# KiCad board owl-driver-board-16.kicad_pcb (continued)
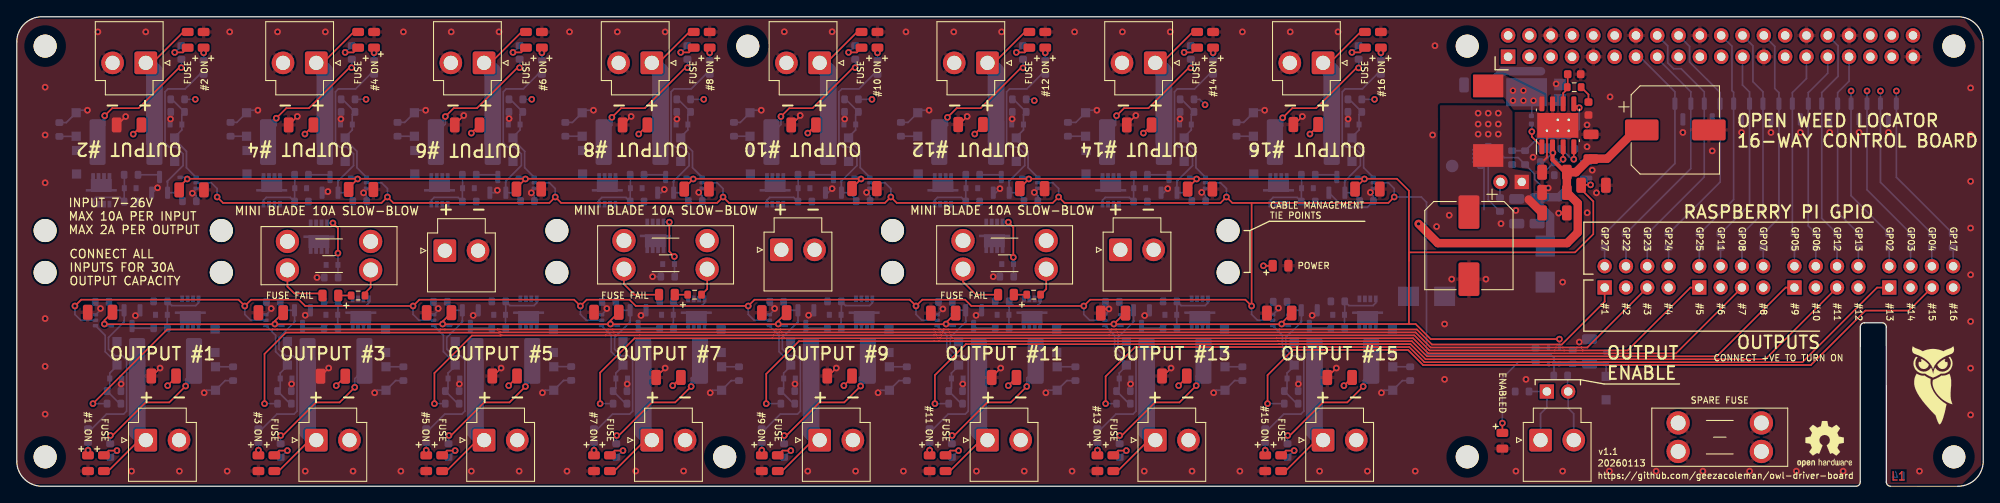
[diagram p0: board, top side]
## Routing (per net, layer and track width the routed paths; a pad name or vN(x,y) marks a point on that pad's centre or on a via; arc(x,y) is an arc through that point) (continued)
+5V: length 15.6
  Top w1: 181.8,32.6 180.2,34.2
  Bottom w0.2: 184.38,35.04 184.38,36.9 U9.3
  Bottom w1: C9.1 181.2,33.74 182.75,32.19 182.75,29.23 D16.1 ; 184.38,35.04 183.82,34.48 180.78,34.48
  vias: v1(174.18,44.5) v1(174.18,43.2) v1(174.18,42) v1(175.38,44.5) v1(175.38,43.2) v1(175.38,42) v1(176.58,44.5) v1(176.58,43.2) v1(176.58,42)
GND: length 193.6
  Top w0.2: 52.28,43.23 v1(53.28,44.23) ; 56.75,13.12 v1(57.73,14.1) ; 149.05,20.75 149.18,20.62 149.18,20.35 ; 109.05,20.75 109.18,20.62 109.18,20.35 ; 36.2,13.12 v1(37.18,14.1) ; 136.6,13.12 v1(137.58,14.1) ; 112.28,43.11 v1(113.28,44.11) ; 29.05,20.75 29.18,20.62 29.18,20.35 ; 69.05,20.75 69.18,20.62 69.18,20.35 ; 129.18,20.35 129.18,20.62 129.05,20.75 ; 96.7,13.12 v1(97.68,14.1) ; 8.86,20.35 8.86,20.62 8.74,20.75 ; C16.2 93.38,44.18 v1(93.38,44.23) ; 72.23,43.11 v1(73.23,44.11) ; 156.28,13.1 v1(157.28,14.1) ; 32.44,43.11 v1(33.44,44.11) ; 182.03,38.9 182.38,39.25 U1.9 ; 11.98,43.1 v1(12.98,44.1) ; 89.18,20.35 89.18,20.62 89.05,20.75 ; 49.18,20.35 49.18,20.62 49.05,20.75 ; 132.38,43.23 v1(133.38,44.23) ; v1(130.18,21.15) 129.7,21.15 C42.2 ; 16.1,13.12 v1(17.08,14.1) ; 76.28,13.1 v1(77.28,14.1) ; 152.23,43.11 v1(153.23,44.11) ; 116.28,13.1 v1(117.28,14.1)
  Bottom w0.2: U17.3 110.38,21.13 v1(110.38,21.15) 109.85,21.68 R104.1 ; 135,20.94 v1(134.43,20.36) ; R97.1 101.7,34.62 v1(101.28,35.05) 101.32,35.05 101.82,35.55 ; 78.68,44.63 v1(78.68,43.8) 78.68,43.24 ; v1(162.65,11.15) 162.95,11.45 D117.2 165.15,12.6 R168.1 ; 55,20.98 v1(54.4,20.37) ; v1(88.74,44.85) 87.69,44.85 ; R159.1 46.24,43.4 D54.2 ; R132.1 149.75,21.88 v1(150.38,21.25) 150.38,21.13 U21.3 ; Q14.2 74.41,20.39 74.41,20.38 v1(74.4,20.37) ; 98.68,44.63 v1(98.68,43.8) 98.68,43.24 ; 81.82,35.55 81.32,35.05 v1(81.28,35.05) 81.7,34.62 81.7,34 ; R169.1 146.24,43.4 D124.2 ; 18.32,43.2 v1(18.32,43.8) 18.32,44.62 ; 152.75,11.38 v1(152.75,12.2) 152.75,12.8 ; 112.68,11.4 112.68,12.13 v1(112.75,12.2) 112.68,12.27 112.68,12.73 ; 58.68,43.24 58.68,44.63 ; D110.2 126.24,43.4 R167.1 ; v1(82.65,11.15) 82.95,11.45 D61.2 85.15,12.6 R160.1 ; v1(182.53,35.57) 181.95,35.57 180.9,36.62 180.9,37.25 R45.1 178.95,39.2 177.28,39.2 175.63,40.85 175.15,40.85 174.9,40.6 U3.9 U3.8 ; v1(77.18,35.4) 76.79,35.01 Q16.2 ; v1(97.18,35.5) 96.69,35.01 Q20.2 ; 41.82,35.55 41.33,35.06 v1(41.33,35) 41.33,34.99 41.7,34.62 41.7,34 ; 138.64,44.62 v1(138.64,43.8) 138.64,43.2 ; D82.2 86.24,43.4 R163.1 ; 12.44,12.8 v1(12.44,12.2) 12.44,11.38 ; R164.1 125.15,12.6 D89.2 122.95,11.45 v1(122.65,11.15) ; 158.68,43.24 v1(158.68,43.8) 158.68,44.63 ; v1(28.74,44.85) 27.69,44.85 ; R157.1 26.24,43.4 D23.2 ; v1(148.74,44.85) 147.69,44.85 ; Q24.2 116.69,35.01 v1(117.18,35.5) ; 94.97,20.99 v1(94.38,20.4) ; v1(8.42,44.85) 7.37,44.85 ; 161.82,35.55 161.33,35.06 v1(161.33,35.05) 161.33,34.99 161.7,34.62 R139.1 160.98,33.27 158.12,33.27 Q32.2 ; 114.94,20.99 v1(114.34,20.39) ; 32.75,12.8 v1(32.75,12.2) 32.75,11.38 ; R118.1 129.75,21.58 v1(130.18,21.15) 130.18,20.93 U19.3 ; v1(128.74,44.85) 127.69,44.85 ; R156.1 45.15,12.6 D18.2 42.95,11.45 v1(42.65,11.15) ; 5.08,43.38 5.9,43.38 D11.2 ; v1(62.65,11.15) 62.95,11.45 D28.2 65.18,12.62 R158.1 ; Q12.2 56.99,35.01 v1(57.28,35.3) ; 61.7,34 61.7,34.62 v1(61.33,35) 61.33,35.06 61.82,35.55 ; U3.4 173.98,38.23 174.25,37.95 174.65,37.95 174.9,38.2 U3.2 ; v1(48.74,44.85) 47.69,44.85 ; R162.1 105.15,12.6 D75.2 102.95,11.45 v1(102.65,11.15) ; 34.97,20.99 v1(34.38,20.4) ; U15.3 90.33,21.08 v1(90.33,21.2) 89.75,21.78 89.75,22 ; R14.1 29.75,21.78 v1(30.33,21.2) 30.33,21.08 U7.3 ; 69.75,22 69.75,21.78 v1(70.33,21.2) 70.33,21.08 U13.3 ; R154.1 24.84,12.6 D10.2 22.64,11.45 v1(22.34,11.15) ; R111.1 121.7,34.62 121.28,35.04 v1(121.28,35.05) 121.32,35.05 121.82,35.55 ; R11.1 9.35,21.83 v1(9.98,21.2) 9.98,21.04 U5.3 ; 52.75,12.8 v1(52.75,12.2) 52.75,11.38 ; R161.1 66.24,43.4 D68.2 ; 21.5,35.55 20.93,34.98 v1(20.93,34.95) 21.09,34.95 21.4,34.63 21.4,34 ; R27.1 v1(116.38,25) ; R125.1 141.7,34.62 141.27,35.05 v1(141.23,35.05) 141.32,35.05 141.82,35.55 ; 132.75,12.8 v1(132.75,12.2) 132.75,11.38 ; v1(108.74,44.85) 107.69,44.85 ; 38.64,44.62 v1(38.64,43.8) 38.64,43.2 ; D96.2 106.24,43.4 R165.1 ; 174.88,38.48 174.88,33 ; R166.1 145.15,12.6 D103.2 142.95,11.45 v1(142.65,11.15) ; 155,20.98 v1(154.4,20.37) ; Q28.2 136.69,35.01 v1(137.18,35.5) ; 14.69,20.91 v1(14.14,20.36) ; 92.75,12.8 v1(92.75,12.2) 92.75,11.38 ; R51.1 49.65,21.78 v1(50.23,21.2) 50.23,20.98 U11.3 ; 72.75,12.8 v1(72.75,12.2) 72.75,11.38 ; 118.64,43.2 v1(118.64,43.8) 118.64,44.62 ; R25.1 v1(75.78,25) ; 16.19,35.01 v1(16.78,35.6) ; R8.1 v1(35.78,24.9) ; v1(68.74,44.85) 67.69,44.85
  Bottom w0.5: v1(37.08,35.15) 36.94,35.01 Q8.2
  Bottom w1: C10.2 176.88,49.3 176.88,49.33 177.05,49.5 181.68,49.5
  vias: v1(3.38,47.6) v1(3.38,41.9) v1(3.38,36.2) v1(3.38,20) v1(3.38,14.3) v1(3.38,8.6) v1(9.67,54.2) v1(13.68,1.8) v1(15.37,54.2) v1(19.38,1.8) v1(25.08,1.8) v1(25.38,54.2) v1(31.08,54.2) v1(34.38,1.8) v1(36.78,54.2) v1(40.08,1.8) v1(45.78,1.8) v1(46.08,54.2) v1(51.78,54.2) v1(54.18,1.8) v1(57.48,54.2) v1(58.68,43.85) v1(59.88,1.8) v1(65.58,1.8) v1(65.88,54.2) v1(71.58,54.2) v1(73.78,1.81) v1(77.28,54.2) v1(79.48,1.81) v1(91.48,54.21) v1(94.28,1.8) v1(97.18,54.21) v1(99.98,1.8) v1(105.68,1.8) v1(105.98,54.2) v1(111.68,54.2) v1(114.38,1.8) v1(117.38,54.2) v1(120.08,1.8) v1(125.78,1.8) v1(126.08,54.2) v1(131.78,54.2) v1(134.38,1.8) v1(137.48,54.2) v1(140.08,1.8) v1(145.78,1.8) v1(146.08,54.2) v1(151.78,54.2) v1(155.28,1.8) v1(157.48,54.2) v1(160.98,1.8) v1(166.68,1.8) v1(168.75,41.9) v1(169.03,52.55) v1(169.23,30.98) v1(170.18,19.35) v1(170.18,12.75) v1(170.73,32.33) v1(171.03,24.7) v1(175.1,24.7) v1(176.9,31.33) v1(178.68,32.9) v1(178.68,1.8) v1(179.88,12.75) v1(180.72,39.25) v1(183.48,48) v1(183.78,32.58) v1(184.25,24.35) v1(184.25,1.8) v1(186.23,17.2) v1(187.16,43.1) v1(187.16,40.5) v1(187.18,32.62) v1(187.78,37.7) v1(188.28,35) v1(189.82,1.8) v1(189.9,46.45) v1(195.39,1.8) v1(198.58,42.2) v1(200.96,1.8) v1(202.08,40) v1(205.58,42.2) v1(206.54,1.8) v1(209.08,42.2) v1(212.11,1.8) v1(212.58,42.2) v1(216.08,42.2) v1(217.68,1.8) v1(219.58,42.2) v1(223.08,42.2) v1(226.78,1.8) v1(232.88,47.51) v1(232.88,41.94) v1(232.88,36.37) v1(232.88,30.8) v1(232.88,25.23) v1(232.88,19.66) v1(232.88,14.09) v1(232.88,8.51)
VCC: length 67.9
  Top w0.2: 75.1,42.99 v1(74.13,42.01) ; 99.58,13 v1(98.58,12) ; 115.15,42.99 v1(114.18,42.01) ; C15.1 v1(78.18,12) ; 59.63,13 v1(58.63,12) ; 18.98,13 v1(17.98,12) ; 35.32,42.99 v1(34.34,42.01) ; 119.15,12.98 v1(118.18,12) ; 159.15,12.98 v1(158.18,12) ; C11.1 v1(54.18,42.12) ; v1(94.28,42.12) 95.25,43.1 ; 39.08,13 v1(38.08,12) ; 14.85,42.98 v1(13.88,42) ; 139.48,13 v1(138.48,12) ; C12.1 v1(134.28,42.12) ; 155.1,42.99 v1(154.13,42.01)
  Top w0.5: C6.1 184.55,37.45 183.04,38.96 U1.2
  Top w1: C5.1 187.58,39.08 189.55,39.08 192.98,42.5 C8.1 ; v1(167.08,31.3) 169.38,29 184.78,29 186.05,30.28 186.05,33.75 C18.1 C6.1 185.83,37.45 187.4,39.03 187.5,39.03
  Bottom w0.2: R41.2 181.96,38.65 v1(183.09,39.77)
  Bottom w0.5: 182.58,40.28 v1(183.09,39.77)
/BOOT: length 3.2
  Top w0.2: U1.1 180.58,41.68 v1(180.58,42.3)
  Bottom w0.2: v1(180.58,42.3) 180.58,43.17 C17.1
/COMP: length 3.5
  Top w0.2: 184.8,47.6 184.85,47.65 C22.1 ; 184.31,45.61 184.31,46.89 184.78,47.35
/EN: length 5.2
  Top w0.2: 184.31,40.49 184.31,38.71
  Bottom w0.2: 181.7,37.1 183.25,38.65 183.95,38.65 v1(184.3,39)
/Output chain 1/DRAIN: length 15.8
  Top w0.2: v1(11.16,6.05) 11.41,6.05 15.35,10 18.18,10 v1(20.13,11.95)
  Bottom w0.2: v1(11.16,6.05) 11.13,6.02 11.13,5.08 ; R154.2 D10.1 ; 20.47,13.09 20.13,12.75 v1(20.13,11.95)
/Output chain 1/GATE: length 7.4
  Bottom w0.2: 21.66,22.1 21.66,21.88 21.34,21.55 18.46,21.55 R2.1 ; 17.94,18.75 17.94,20.33 ; 17.96,20.35 17.96,21.95
/Output chain 1/OUTPUT+: length 14.7
  Top w0.2: 10.9,1.81 14.34,5.25
  Bottom w2: J4.1 14.35,6.53 F2.2
/Output chain 2/DRAIN: length 15.6
  Top w0.2: v1(19.6,49.93) 19.35,49.93 14.53,45.1 11.38,45.1 v1(10.48,44.2)
  Bottom w0.2: D11.1 7.05,41.73 R155.2 ; 19.63,50.9 19.63,49.95 v1(19.6,49.93) ; v1(10.48,44.2) 10.48,43.1
/Output chain 2/GATE: length 7.4
  Bottom w0.2: R3.1 12.3,34.45 9.42,34.45 9.1,34.12 9.1,33.9 ; 12.82,37.25 12.82,35.68 ; 12.8,35.65 12.8,34.05
/Output chain 2/OUTPUT+: length 14.7
  Top w0.2: 19.85,54.19 16.42,50.76
  Bottom w2: F3.2 16.41,49.47 J5.1
/Output chain 3/DRAIN: length 16
  Top w0.2: v1(31.46,6.05) 31.71,6.05 35.65,10 38.48,10 v1(40.28,11.8)
  Bottom w0.2: 31.43,5.08 31.43,6.02 v1(31.46,6.05) ; R156.2 D18.1 ; 40.77,13.31 40.28,12.82 v1(40.28,11.8)
/Output chain 3/GATE: length 7.4
  Bottom w0.2: 38.25,18.75 38.25,20.33 ; R15.1 38.78,21.55 41.65,21.55 41.98,21.88 41.98,22.1 ; 38.28,20.35 38.28,21.95
/Output chain 3/OUTPUT+: length 14.7
  Top w0.2: 31.22,1.81 34.65,5.25
  Bottom w2: F4.2 34.66,6.53 J7.1
/Output chain 4/DRAIN: length 15.7
  Top w0.2: v1(39.9,49.93) 39.65,49.93 34.83,45.1 32.13,45.1 v1(30.93,43.9)
  Bottom w0.2: v1(30.93,43.9) 30.93,43.05 30.59,42.71 ; v1(39.9,49.93) 39.93,49.95 39.93,50.9 ; R157.2 D23.1
/Output chain 4/GATE: length 7.4
  Bottom w0.2: 33.11,35.65 33.11,34.05 ; 33.14,37.25 33.14,35.68 ; R20.1 32.61,34.45 29.74,34.45 29.41,34.12 29.41,33.9
/Output chain 4/OUTPUT+: length 14.7
  Top w0.2: 40.17,54.19 36.74,50.76
  Bottom w2: F5.2 36.72,49.47 J8.1
/Output chain 5/DRAIN: length 15.7
  Top w0.2: v1(51.51,6.05) 51.76,6.05 55.7,10 58.73,10 v1(60.63,11.9)
  Bottom w0.2: v1(60.63,11.9) 60.63,12.75 60.82,12.94 ; 51.48,5.08 51.48,6.02 v1(51.51,6.05) ; D28.1 64.03,14.28 R158.2
/Output chain 5/GATE: length 7.4
  Bottom w0.2: 58.28,20.35 58.28,21.95 ; R52.1 58.78,21.55 61.65,21.55 61.98,21.88 61.98,22.1 ; 58.25,18.75 58.25,20.33
/Output chain 5/OUTPUT+: length 14.7
  Top w0.2: 51.22,1.81 54.65,5.25
  Bottom w2: J12.1 54.66,6.53 F6.2
/Output chain 6/DRAIN: length 15.8
  Top w0.2: v1(51.08,44.1) 52.08,45.1 54.85,45.1 59.68,49.93 v1(59.93,49.93)
  Bottom w0.2: 59.96,50.9 59.96,49.95 v1(59.93,49.93) ; R159.2 D54.1 ; v1(51.08,44.1) 51.08,43.2 50.62,42.74
/Output chain 6/GATE: length 7.4
  Bottom w0.2: 53.11,35.65 53.11,34.05 ; 53.14,37.25 53.14,35.68 ; 49.41,33.9 49.41,34.12 49.74,34.45 52.61,34.45 R70.1
/Output chain 6/OUTPUT+: length 14.7
  Top w0.2: 60.17,54.19 56.74,50.76
  Bottom w2: F7.2 56.72,49.47 J13.1
/Output chain 7/DRAIN: length 16
  Top w0.2: v1(80.38,11.9) 78.48,10 75.7,10 71.76,6.05 v1(71.51,6.05)
  Bottom w0.2: v1(71.51,6.05) 71.48,6.02 71.48,5.08 ; 80.82,13.31 80.38,12.87 v1(80.38,11.9) ; R160.2 D61.1
/Output chain 7/GATE: length 7.4
  Bottom w0.2: 78.28,20.35 78.28,21.95 ; 81.98,22.1 81.98,21.88 81.65,21.55 78.78,21.55 R77.1 ; 78.25,18.75 78.25,20.33
/Output chain 7/OUTPUT+: length 14.7
  Top w0.2: 71.22,1.81 74.65,5.25
  Bottom w2: J14.1 74.66,6.53 F8.2
/Output chain 8/DRAIN: length 15.8
  Top w0.2: v1(79.93,49.93) 79.68,49.93 74.85,45.1 72.03,45.1 v1(70.93,44)
  Bottom w0.2: v1(79.93,49.93) 79.96,49.95 79.96,50.9 ; 70.62,42.74 70.93,43.05 v1(70.93,44) ; R161.2 D68.1
/Output chain 8/GATE: length 7.4
  Bottom w0.2: 69.41,33.9 69.41,34.12 69.74,34.45 72.61,34.45 R84.1 ; 73.14,37.25 73.14,35.68 ; 73.11,35.65 73.11,34.05
/Output chain 8/OUTPUT+: length 14.7
  Top w0.2: 80.17,54.19 76.74,50.76
  Bottom w2: J15.1 76.72,49.47 F9.2
/Output chain 9/DRAIN: length 16.2
  Top w0.2: v1(100.58,11.95) 98.63,10 95.68,10 91.73,6.05 v1(91.48,6.05)
  Bottom w0.2: v1(100.58,11.95) 100.43,12.1 100.43,12.95 100.79,13.31 ; R93.2 91.45,6.02 v1(91.48,6.05) ; R162.2 D75.1
/Output chain 9/GATE: length 7.4
  Bottom w0.2: R91.1 98.78,21.55 101.65,21.55 101.98,21.88 101.98,22.1 ; 98.25,18.75 98.25,20.33 ; 98.28,20.35 98.28,21.95
/Output chain 9/OUTPUT+: length 14.7
  Top w0.2: 91.22,1.81 94.65,5.25
  Bottom w2: F10.2 94.66,6.53 J16.1
/Output chain 10/DRAIN: length 15.8
  Top w0.2: v1(91.08,44.1) 92.08,45.1 94.85,45.1 99.68,49.93 v1(99.93,49.93)
  Bottom w0.2: 99.96,50.9 99.96,49.95 v1(99.93,49.93) ; v1(91.08,44.1) 91.08,43.15 90.62,42.69 ; R163.2 D82.1
/Output chain 10/GATE: length 7.4
  Bottom w0.2: R98.1 92.61,34.45 89.74,34.45 89.41,34.12 89.41,33.9 ; 93.14,37.25 93.14,35.68 ; 93.11,35.65 93.11,34.05
/Output chain 10/OUTPUT+: length 14.7
  Top w0.2: 100.17,54.19 96.74,50.76
  Bottom w2: J17.1 96.72,49.47 F11.2
/Output chain 11/DRAIN: length 16.1
  Top w0.2: v1(111.48,6.05) 111.73,6.05 115.68,10 118.48,10 v1(120.38,11.9)
  Bottom w0.2: R107.2 111.45,6.02 v1(111.48,6.05) ; v1(120.38,11.9) 120.38,12.9 120.79,13.31 ; R164.2 D89.1
/Output chain 11/GATE: length 7.4
  Bottom w0.2: 118.25,18.75 118.25,20.33 ; 118.28,20.35 118.28,21.95 ; 121.98,22.1 121.98,21.88 121.65,21.55 118.78,21.55 R105.1
/Output chain 11/OUTPUT+: length 14.7
  Top w0.2: 111.22,1.81 114.65,5.25
  Bottom w2: F12.2 114.66,6.53 J18.1
/Output chain 12/DRAIN: length 15.8
  Top w0.2: v1(110.93,44) 112.03,45.1 114.88,45.1 119.68,49.9 v1(119.93,49.9)
  Bottom w0.2: 119.96,50.88 119.96,49.93 v1(119.93,49.9) ; 110.62,42.74 110.93,43.05 v1(110.93,44) ; R165.2 D96.1
/Output chain 12/GATE: length 7.4
  Bottom w0.2: 113.11,35.65 113.11,34.05 ; R112.1 112.61,34.45 109.74,34.45 109.41,34.12 109.41,33.9 ; 113.14,37.25 113.14,35.68
/Output chain 12/OUTPUT+: length 14.7
  Top w0.2: 120.17,54.19 116.74,50.76
  Bottom w2: J19.1 116.72,49.47 F13.2
/Output chain 13/DRAIN: length 16
  Top w0.2: v1(131.46,6.05) 131.71,6.05 135.66,10 138.58,10 v1(140.58,12)
  Bottom w0.2: R166.2 D103.1 ; v1(140.58,12) 140.58,13.12 140.79,13.33 ; 131.43,5.08 131.43,6.02
/Output chain 13/GATE: length 7.4
  Bottom w0.2: 138.28,20.35 138.28,21.95 ; 138.25,18.75 138.25,20.33 ; 141.98,22.1 141.98,21.88 141.65,21.55 138.78,21.55 R119.1
/Output chain 13/OUTPUT+: length 14.7
  Top w0.2: 131.22,1.81 134.65,5.25
  Bottom w2: J20.1 134.66,6.53 F14.2
/Output chain 14/DRAIN: length 16
  Top w0.2: v1(139.93,49.9) 139.68,49.9 134.88,45.1 131.98,45.1 v1(131.08,44.2)
  Bottom w0.2: R167.2 D110.1 ; 139.96,50.88 139.96,49.93 v1(139.93,49.9) ; 130.62,42.74 130.98,43.1 130.98,44.1 v1(131.08,44.2)
/Output chain 14/GATE: length 7.4
  Bottom w0.2: 133.11,35.65 133.11,34.05 ; 133.14,37.25 133.14,35.68 ; R126.1 132.61,34.45 129.74,34.45 129.41,34.12 129.41,33.9
/Output chain 14/OUTPUT+: length 14.7
  Top w0.2: 140.17,54.19 136.74,50.76
  Bottom w2: F15.2 136.72,49.47 J21.1
/Output chain 15/DRAIN: length 15.6
  Top w0.2: v1(151.48,6.05) 151.73,6.05 155.68,10 158.58,10 v1(160.48,11.9)
  Bottom w0.2: R135.2 151.45,6.02 v1(151.48,6.05) ; 160.79,12.91 160.48,12.6 v1(160.48,11.9) ; R168.2 D117.1
/Output chain 15/GATE: length 7.4
  Bottom w0.2: 158.28,20.35 158.28,21.95 ; R133.1 158.78,21.55 161.65,21.55 161.98,21.88 161.98,22.1 ; 158.25,18.75 158.25,20.33
/Output chain 15/OUTPUT+: length 14.7
  Top w0.2: 151.22,1.81 154.65,5.25
  Bottom w2: J22.1 154.66,6.53 F16.2
/Output chain 16/DRAIN: length 15.8
  Top w0.2: v1(150.88,43.95) 152.03,45.1 154.88,45.1 159.68,49.9 v1(159.93,49.9)
  Bottom w0.2: v1(150.88,43.95) 150.88,43 150.62,42.74 ; R169.2 D124.1 ; 159.96,50.88 159.96,49.93 v1(159.93,49.9)
/Output chain 16/GATE: length 7.4
  Bottom w0.2: R140.1 152.61,34.45 149.74,34.45 149.41,34.12 149.41,33.9 ; 153.11,35.65 153.11,34.05 ; 153.14,37.25 153.14,35.68
/Output chain 16/OUTPUT+: length 14.7
  Top w0.2: 160.17,54.19 156.74,50.76
  Bottom w2: J23.1 156.72,49.47 F17.2
/PI13_GPIO: length 59.7
  In1.Cu w0.2: 180.29,50.44 J2.3 182.12,49.4 183.53,49.4 185.03,47.9 217.88,47.9 v1(218.63,47.15)
  Bottom w0.2: R40.1 218.63,34.66 D128.1 v1(218.63,47.15)
/PI14_GPIO: length 58.6
  In1.Cu w0.2: v1(220.53,47.15) 219.43,48.25 185.81,48.25 J2.5
  Bottom w0.2: R37.1 220.53,35.36 D128.2 v1(220.53,47.15)
/PI15_GPIO: length 58
  In1.Cu w0.2: J2.7 188,48.6 220.68,48.6 v1(222.13,47.15)
  Bottom w0.2: v1(222.13,47.15) D129.1 222.13,36.26 R36.1
/PI16_GPIO: length 55.1
  In1.Cu w0.2: v1(224.03,47.15) 222.23,48.95 192.73,48.95 J2.11
  Bottom w0.2: v1(224.03,47.15) D129.2 224.03,36.86 R35.1
/PI_5V0_P: length 1.8
  Bottom w0.2: R46.2 176.78,36.24
/SS: length 3.5
  Top w0.2: v1(185.58,39) 185.58,39.01 U1.4
  Bottom w0.2: C24.1 185.35,39 v1(185.58,39)
/SW: length 3.1
  Bottom w0.2: D36.1 180.58,46.38 180.58,44.23 C17.2
  vias: v1(178.33,47.2) v1(178.33,46) v1(179.58,47.2) v1(179.58,46) v1(180.78,46)
/VSENSE: length 12.5
  Top w0.2: U1.5 186.05,45.15 v1(186.23,45.15)
  Bottom w0.2: v1(186.23,45.15) 186.23,42.6 185.13,41.5 181.25,41.5 R45.2 R42.1
ENABLE: length 409.4
  Top w0.2: 147.18,33.8 163.48,33.8 v1(164.18,34.5) ; 147.18,33.8 v1(147.18,21.5) 146.43,22.25 127.93,22.25 v1(127.18,21.5) 113.78,21.5 113.03,22.25 107.93,22.25 v1(107.18,21.5) 106.43,22.25 87.93,22.25 v1(87.18,21.5) 73.78,21.5 73.03,22.25 67.93,22.25 v1(67.18,21.5) 66.43,22.25 47.98,22.25 v1(47.23,21.5) 34.38,21.5 33.63,22.25 27.93,22.25 v1(27.18,21.5) 26.43,22.25 7.68,22.25 v1(6.93,21.5) ; 147.18,33.8 144.88,33.8 v1(144.18,34.5) 143.48,33.8 124.88,33.8 v1(124.18,34.5) 123.48,33.8 104.88,33.8 v1(104.18,34.5) 103.48,33.8 84.88,33.8 v1(84.18,34.5) 83.48,33.8 64.88,33.8 v1(64.18,34.5) 63.48,33.8 44.88,33.8 v1(44.18,34.5) 43.48,33.8 24.58,33.8 v1(23.88,34.5)
  Bottom w0.2: v1(107.18,21.5) 107.18,20.5 107.88,19.8 109.69,19.8 ; 121.67,36.2 123.48,36.2 124.18,35.5 v1(124.18,34.5) ; U8.2 U8.1 185.39,14.6 ; U8.2 183.22,13.23 ; U8.2 183.22,15.31 182.88,15.65 168.03,15.65 168.03,33.88 167.4,34.5 v1(164.18,34.5) 164.18,35.5 163.48,36.2 161.67,36.2 ; D40.2 D39.1 C25.1 R47.1 ; v1(64.18,34.5) 64.18,35.5 63.48,36.2 61.67,36.2 ; v1(147.18,21.5) 147.18,20.5 147.88,19.8 149.69,19.8 ; v1(104.18,34.5) 104.18,35.5 103.48,36.2 101.67,36.2 ; 129.69,19.8 127.88,19.8 127.18,20.5 v1(127.18,21.5) ; U6.2 23.18,36.2 23.88,35.5 v1(23.88,34.5) ; v1(67.18,21.5) 67.18,20.5 67.88,19.8 69.69,19.8 ; 41.67,36.2 43.48,36.2 44.18,35.5 v1(44.18,34.5) ; 89.69,19.8 87.88,19.8 87.18,20.5 v1(87.18,21.5) ; 141.67,36.2 143.48,36.2 144.18,35.5 v1(144.18,34.5) ; v1(47.23,21.5) 47.23,20.5 47.93,19.8 49.74,19.8 ; 81.67,36.2 83.48,36.2 84.18,35.5 v1(84.18,34.5) ; v1(6.93,21.5) 6.93,20.5 7.63,19.8 9.44,19.8 ; v1(27.18,21.5) 27.18,20.5 27.88,19.8 29.69,19.8
MOSFET1: length 190.1
  Top w0.2: J6.1 189.26,22.02 184.14,16.9 183.6,16.9 183.6,16.9 168.67,16.9 166.87,18.7 150.49,18.7 150.49,18.7 131.03,18.7 131.03,18.7 130.49,18.7 130.49,18.7 111.03,18.7 111.03,18.7 110.49,18.7 110.49,18.7 91.03,18.7 91.03,18.7 90.49,18.7 90.49,18.7 71.03,18.7 71.03,18.7 70.49,18.7 70.49,18.7 57.51,18.7 57.34,18.7 57.34,18.7 51.03,18.7 51.03,18.7 50.49,18.7 50.49,18.7 31.03,18.7 31.03,18.7 30.49,18.7 30.49,18.7 17.93,18.7 v1(9.08,9.85)
  Bottom w0.2: v1(9.08,9.85) R9.2
MOSFET2: length 184
  In1.Cu w0.2: J6.3 190.25,22.15 170.5,22.15 144.5,48.15 23.28,48.15 v1(21.28,46.15)
  Bottom w0.2: v1(21.28,46.15) R10.2
MOSFET3: length 177.1
  Top w0.2: v1(29.53,9.85) 29.53,15.78 32.07,18.33 57.46,18.33 57.49,18.35 57.65,18.35 70.34,18.35 70.35,18.35 71.18,18.35 71.18,18.35 90.34,18.35 90.35,18.35 91.18,18.35 91.18,18.35 110.34,18.35 110.35,18.35 111.18,18.35 111.18,18.35 130.35,18.35 130.35,18.35 131.18,18.35 131.18,18.35 166.72,18.35 168.52,16.55 183.45,16.55 185.96,16.55 186.5,16.55 186.5,16.55 187.19,16.55 J6.5
  Bottom w0.2: v1(29.53,9.85) R13.2
MOSFET4: length 168.8
  In1.Cu w0.2: v1(41.63,46.15) 43.23,47.75 144.41,47.75 170.36,21.8 194.98,21.8 J6.7
  Bottom w0.2: v1(41.63,46.15) R18.2
MOSFET5: length 161.4
  Top w0.2: v1(49.78,9.85) 49.78,13.5 54.25,17.97 57.61,17.97 57.63,18 57.8,18 70.2,18 71.32,18 71.32,18 74.23,18 74.23,18 90.2,18 90.2,18 91.32,18 91.32,18 110.2,18 110.2,18 111.32,18 111.32,18 130.2,18 130.2,18 131.32,18 131.32,18 166.58,18 168.37,16.2 183.31,16.2 183.31,16.2 184.43,16.2 184.43,16.2 185.81,16.2 185.81,16.2 186.64,16.2 191.99,16.2 199.49,23.7 J25.1
  Bottom w0.2: v1(49.78,9.85) R50.2
MOSFET6: length 155.3
  In1.Cu w0.2: J25.3 200.83,21.45 170.21,21.45 144.26,47.4 62.03,47.4 61.38,46.75 v1(61.38,46.15)
  Bottom w0.2: v1(61.38,46.15) R66.2
MOSFET7: length 147
  Top w0.2: J25.5 197.77,15.85 168.23,15.85 166.43,17.65 150.16,17.65 150.15,17.65 111.47,17.65 111.47,17.65 110.06,17.65 110.05,17.65 91.47,17.65 91.47,17.65 90.06,17.65 90.05,17.65 73.63,17.65 69.53,13.55 v1(69.53,9.85)
  Bottom w0.2: v1(69.53,9.85) R73.2
MOSFET8: length 140
  In1.Cu w0.2: J25.7 205.56,21.1 170.07,21.1 144.12,47.05 84.43,47.05 83.53,46.15 v1(81.88,46.15)
  Bottom w0.2: R80.2 v1(81.88,46.15)
MOSFET9: length 133.6
  Top w0.2: J27.1 210.83,23.7 202.63,15.5 168.08,15.5 166.28,17.3 150.3,17.3 150.3,17.3 111.61,17.3 111.61,17.3 109.91,17.3 109.91,17.3 109.33,17.3 93.23,17.3 89.33,13.4 v1(89.33,9.85)
  Bottom w0.2: v1(89.33,9.85) R87.2
MOSFET10: length 126.3
  In1.Cu w0.2: v1(101.93,46.15) 102.48,46.7 143.97,46.7 169.92,20.75 211.47,20.75 J27.3
  Bottom w0.2: v1(101.93,46.15) R94.2